# KiCad board Sydney-live-rail.kicad_pcb
title: Wellington Live Train Map; date: 2025-08-25; rev: 1.0.0; company: Kea Studios; note: ©Chris Dirks; note: GPL-3.0 or Later
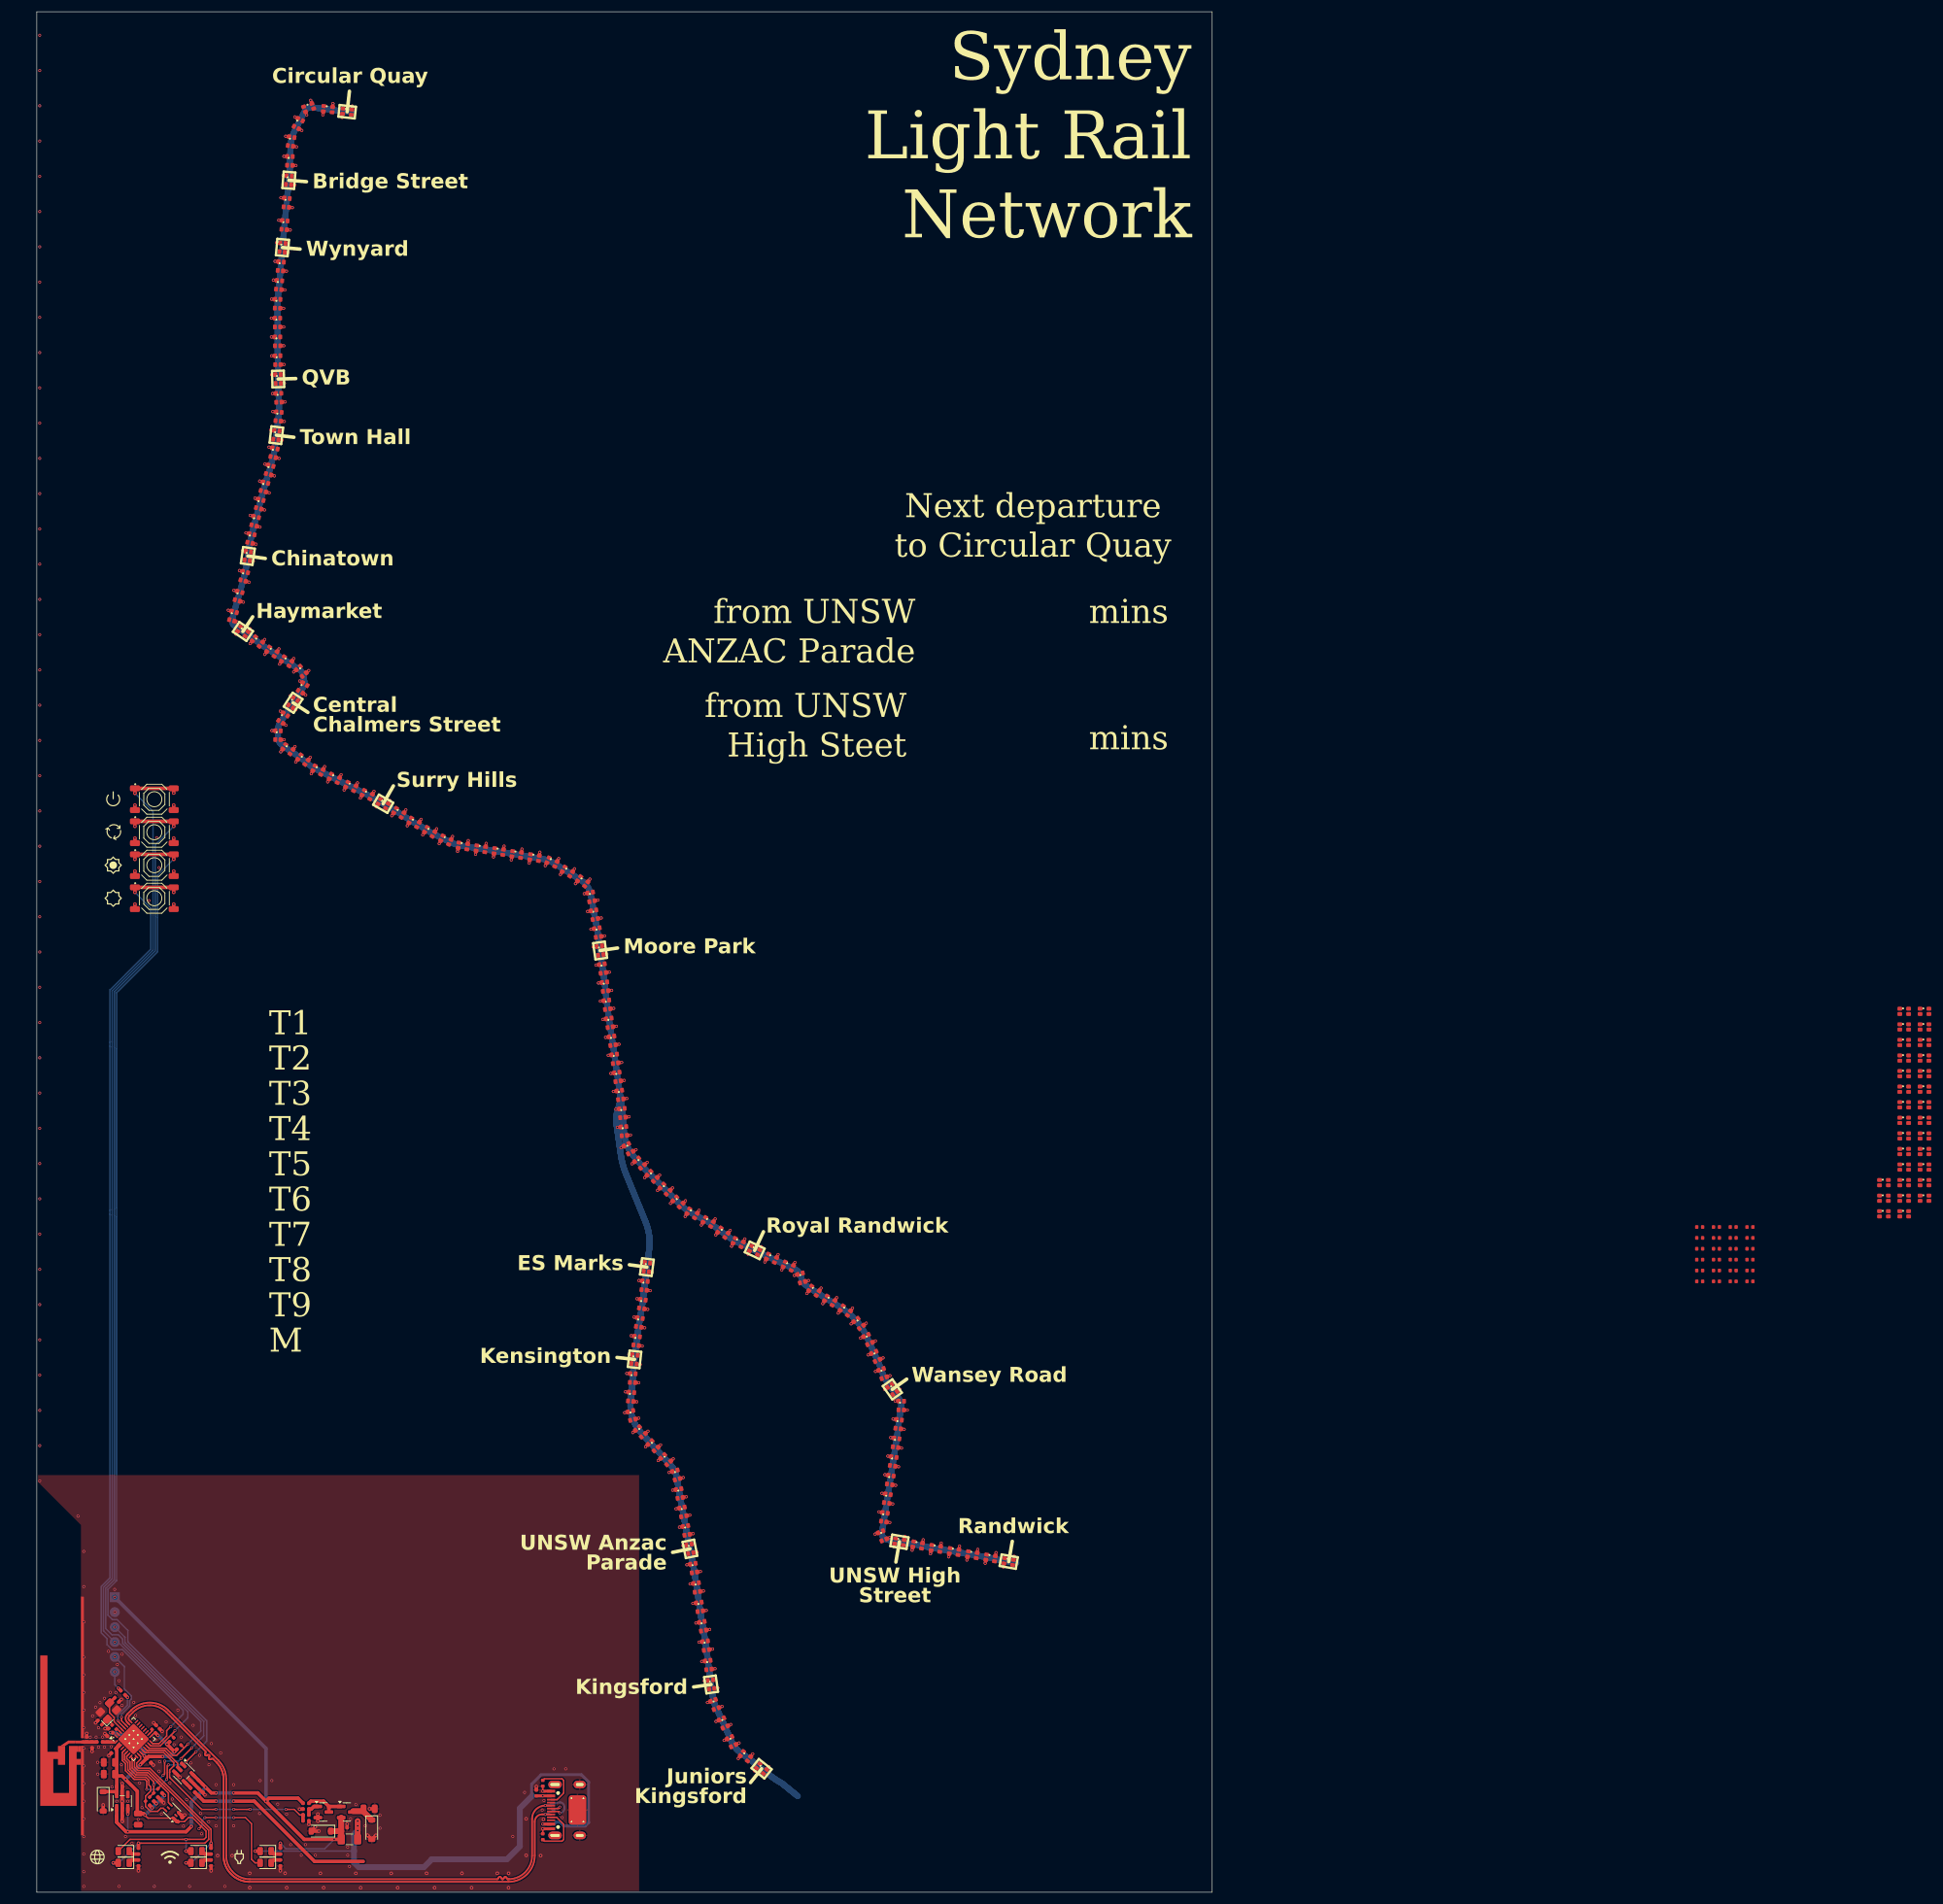
[diagram p0: board, top side]
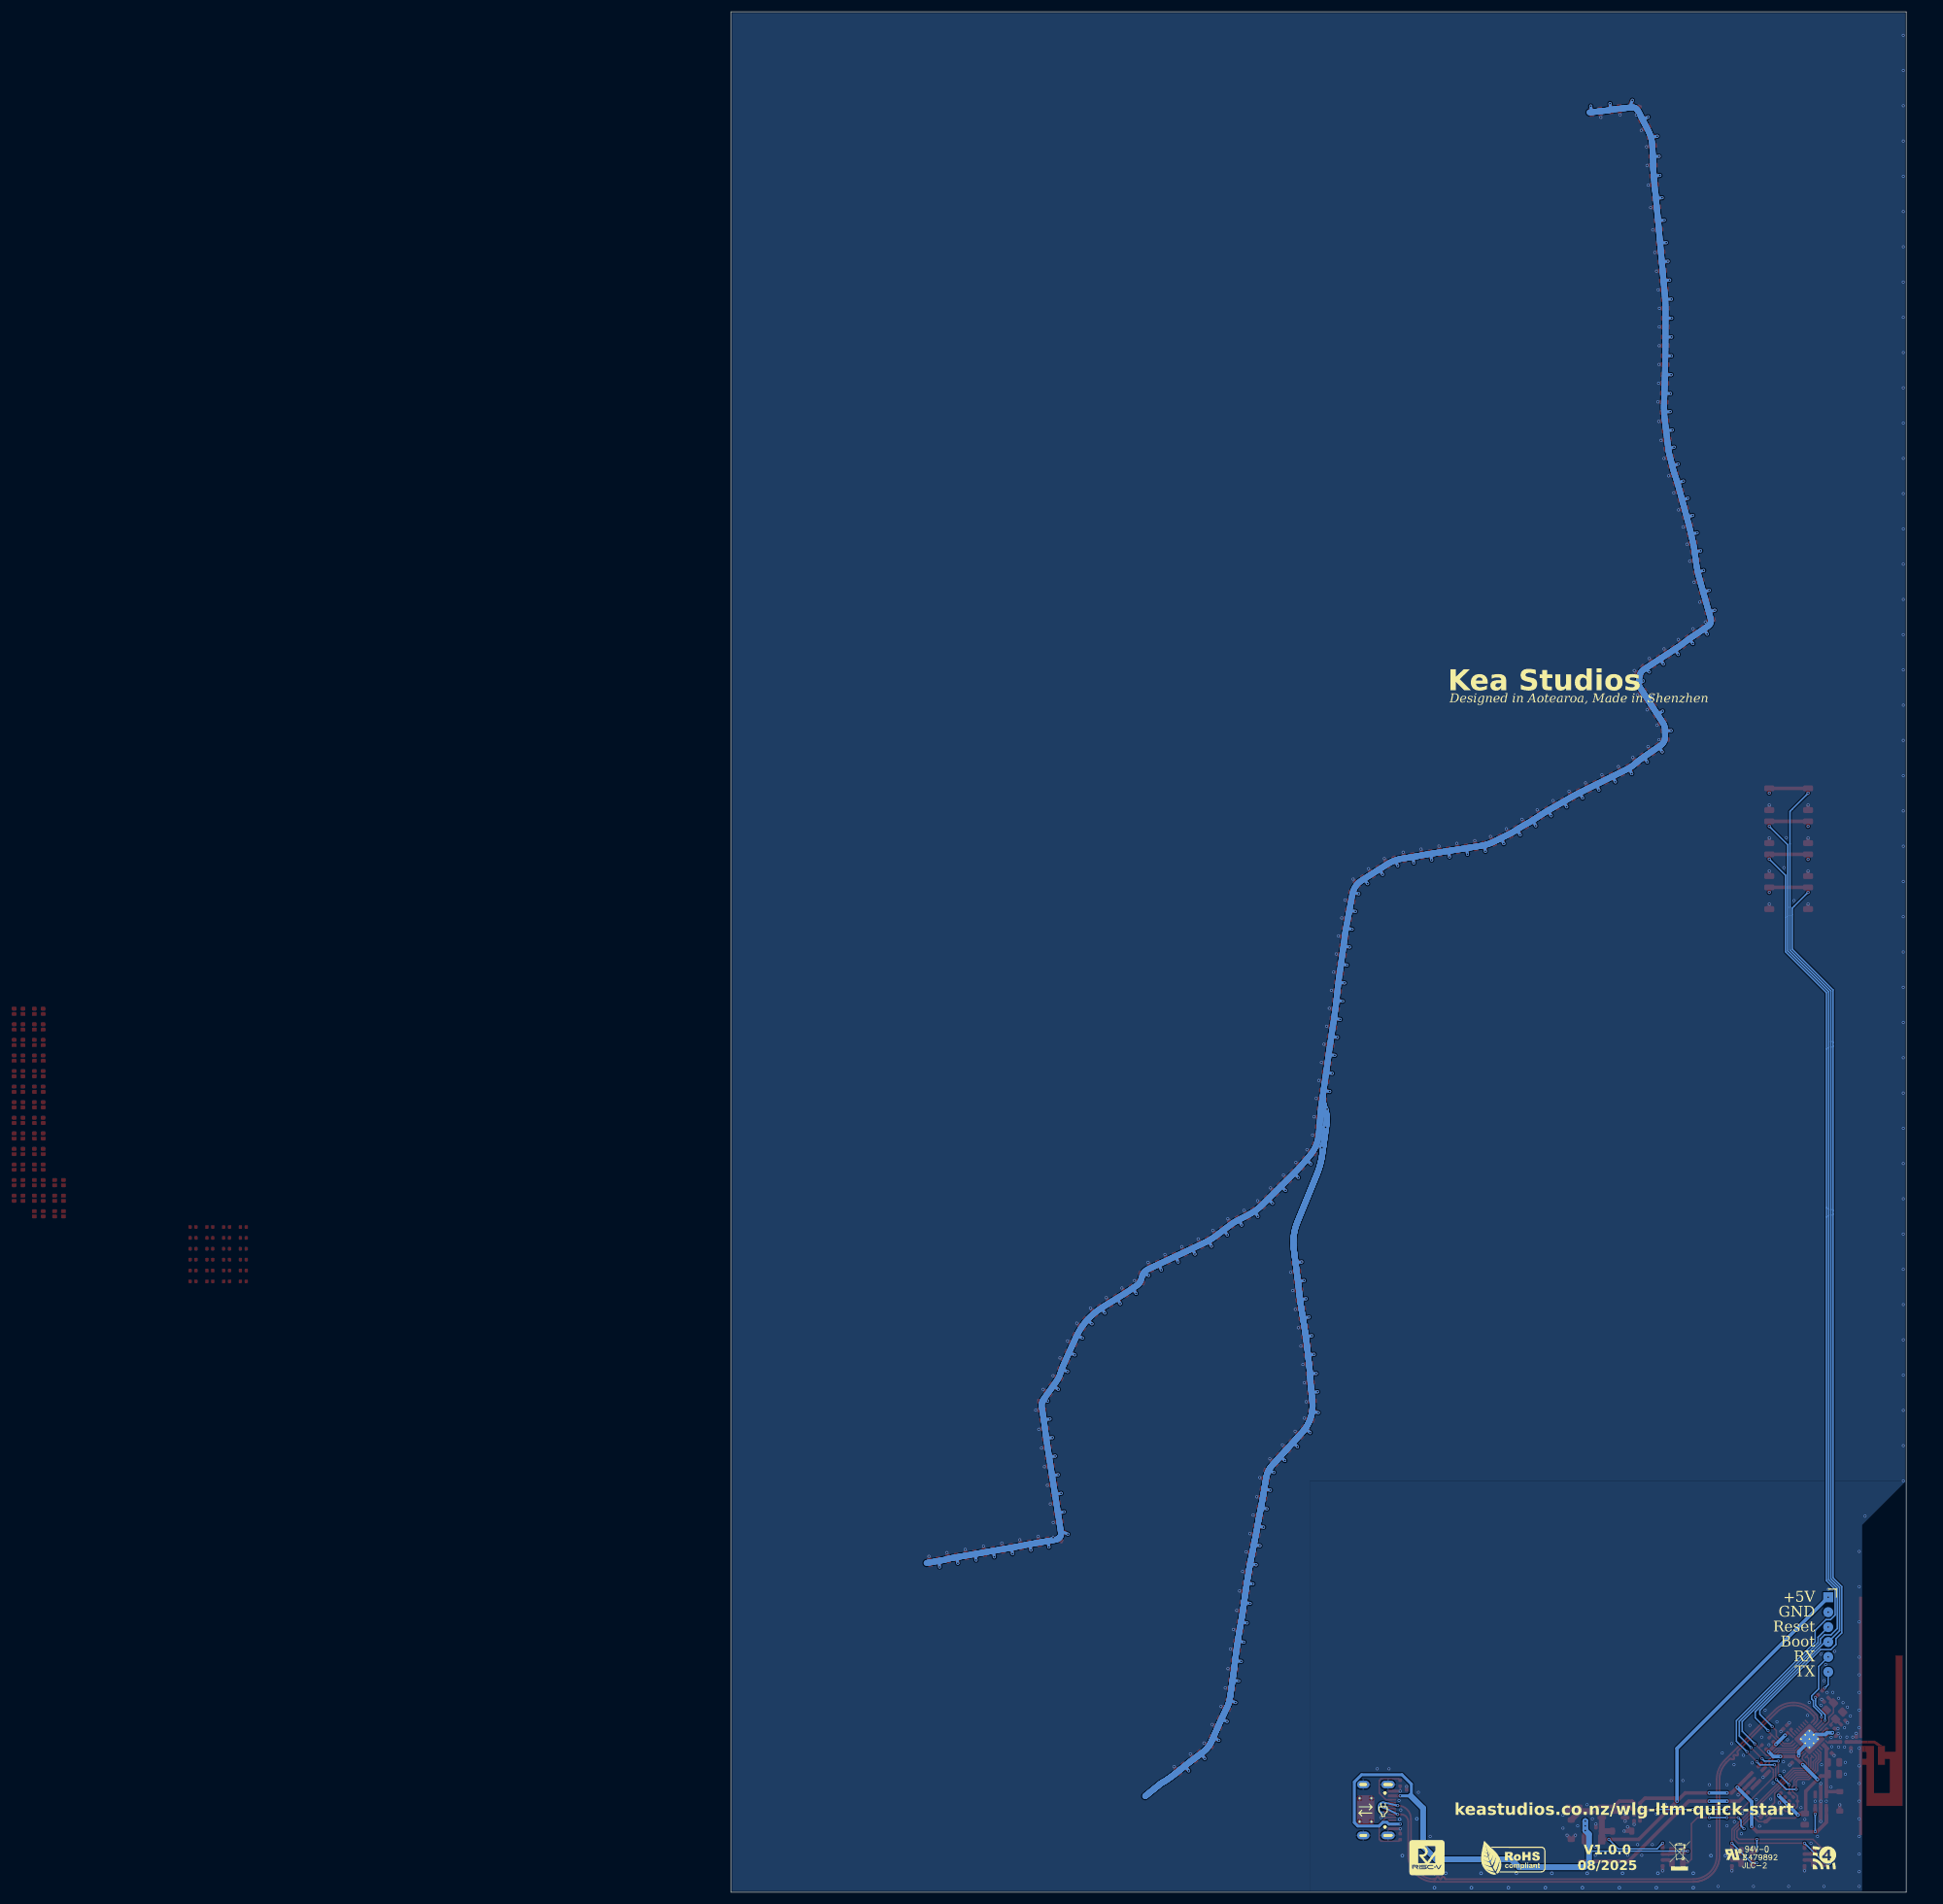
[diagram p1: board, bottom side, seen from below]

Outline 200 x 320 mm; copper layers: Top, Bottom. Coordinates in mm from the lower left corner of the outline.
Outline path: 0,320 0,0 200,0 200,320 0,320
Stack: Top 0.0152mm / dielectric 0.865mm FR4 er 4.5 / Bottom 0.0152mm

## Placement (name value [footprint] x y rotation side)
AE1  Antenna_Shield  [Inverted_F_Antenna_2.4Ghz_1.0mmPCB_TI_CC2430DB.pretty]  0.6 14.71 90 top
C1  10uF  [C_0402]  14.04 13 0 top
C2  10uF  [C_0402]  52.3 11 0 top
C3  10uF  [C_0402]  14.04 17.95 0 top
C4  10uF  [C_0402]  13.05 24.05 225 top
C5  47uF  [C_0805]  12.35 20.1 180 top
C6  10uF  [C_0402]  19.95 28.05 45 top
C7  10uF  [C_0402]  12.56 27.5 135 top
C8  10uF  [C_0402]  20.55 27.45 45 top
C9  10uF  [C_0402]  19.06 22.42 315 top
C11  10uF  [C_0402]  27.87 18.01 225 top
C12  10uF  [C_0402]  27.17 18.72 225 top
C13  10uF  [C_0402]  85 16.9 90 top
C14  10uF  [C_0402]  20.25 16.55 315 top
C15  47uF  [C_0805]  12.35 22.1 180 top
C16  10uF  [C_0402]  24.38 12.37 45 top
C17  47uF  [C_0805]  17.25 12.45 270 top
C18  47uF  [C_0805]  56.55 14.2 0 top
C19  27pF  [C_0402]  13.62 32.75 135 top
C20  27pF  [C_0402]  10.72 28.86 135 top
C35  10uF  [C_0402]  45.8 14.15 180 top
C36  1.5pF  [C_0402]  12 26.07 90 top
C37  1.5pF  [C_0402]  9.4 25.07 270 top
C100  10uF  [C_0402]  282.95 113.2 0 top
C101  10uF  [C_0402]  282.95 111.35 0 top
C102  10uF  [C_0402]  282.95 109.5 0 top
C103  10uF  [C_0402]  282.95 107.65 0 top
C104  10uF  [C_0402]  282.95 105.8 0 top
C105  10uF  [C_0402]  282.95 103.95 0 top
C106  10uF  [C_0402]  285.8 113.2 0 top
C107  10uF  [C_0402]  285.8 111.35 0 top
C108  10uF  [C_0402]  285.8 109.5 0 top
C109  10uF  [C_0402]  285.8 107.65 0 top
C110  10uF  [C_0402]  285.8 105.8 0 top
C111  10uF  [C_0402]  285.8 103.95 0 top
C112  10uF  [C_0402]  288.65 113.2 0 top
C113  10uF  [C_0402]  288.65 111.35 0 top
C114  10uF  [C_0402]  288.65 109.5 0 top
C115  10uF  [C_0402]  288.65 107.65 0 top
C116  10uF  [C_0402]  288.65 105.8 0 top
C117  10uF  [C_0402]  288.65 103.95 0 top
C118  10uF  [C_0402]  291.5 113.2 0 top
C119  10uF  [C_0402]  291.5 111.35 0 top
C120  10uF  [C_0402]  291.5 109.5 0 top
C121  10uF  [C_0402]  291.5 107.65 0 top
C122  10uF  [C_0402]  291.5 105.8 0 top
C123  10uF  [C_0402]  291.5 103.95 0 top
D1  MMSZ5227B  [D_SOD-123]  11.3 15.47 270 top
D2  Red  [D_0805]  38.94 7 180 top
D4  MM1W5V6  [D_SOD-123]  57 10.65 270 top
D5  MM1W5V6  [D_SOD-123]  48.35 10.4 180 top
D8  Green  [D_0805]  38.94 5 180 top
D9  Green  [D_0805]  14.8 5 180 top
D10  Red  [D_0805]  14.8 7 180 top
D11  Red  [D_0805]  27.16 7 180 top
D12  Green  [D_0805]  27.16 5 180 top
D13  H3V3U10B  [D_DFN1006-2L]  8.5 26.03 270 top
D100  XL-1615RGBC-WS2812B-S  [LED-SMD_4P-L1.6-W1.5_XL-1615RGBC-WS2812B#3]  52.82 302.99 353.8 top
D101  XL-1615RGBC-WS2812B-S  [LED-SMD_4P-L1.6-W1.5_XL-1615RGBC-WS2812B#5]  49.54 303.42 353.7 top
D102  XL-1615RGBC-WS2812B-S  [LED-SMD_4P-L1.6-W1.5_XL-1615RGBC-WS2812B#13]  46.26 303.68 20.2 top
D103  XL-1615RGBC-WS2812B-S  [LED-SMD_4P-L1.6-W1.5_XL-1615RGBC-WS2812B#5]  44.51 300.96 62.6 top
D104  XL-1615RGBC-WS2812B-S  [LED-SMD_4P-L1.6-W1.5_XL-1615RGBC-WS2812B#6]  43.27 297.92 81 top
D105  XL-1615RGBC-WS2812B-S  [LED-SMD_4P-L1.6-W1.5_XL-1615RGBC-WS2812B#7]  43.07 294.62 88.4 top
D106  XL-1615RGBC-WS2812B-S  [LED-SMD_4P-L1.6-W1.5_XL-1615RGBC-WS2812B#7]  42.89 291.32 85.4 top
D107  XL-1615RGBC-WS2812B-S  [LED-SMD_4P-L1.6-W1.5_XL-1615RGBC-WS2812B]  42.52 287.51 85 top
D108  XL-1615RGBC-WS2812B-S  [LED-SMD_4P-L1.6-W1.5_XL-1615RGBC-WS2812B#2]  42.15 283.7 84.8 top
D109  XL-1615RGBC-WS2812B-S  [LED-SMD_4P-L1.6-W1.5_XL-1615RGBC-WS2812B#6]  41.8 279.88 84.9 top
D110  XL-1615RGBC-WS2812B-S  [LED-SMD_4P-L1.6-W1.5_XL-1615RGBC-WS2812B#10]  41.52 276.69 84.9 top
D111  XL-1615RGBC-WS2812B-S  [LED-SMD_4P-L1.6-W1.5_XL-1615RGBC-WS2812B#12]  41.23 273.5 84.7 top
D112  XL-1615RGBC-WS2812B-S  [LED-SMD_4P-L1.6-W1.5_XL-1615RGBC-WS2812B#15]  40.98 270.31 88.3 top
D113  XL-1615RGBC-WS2812B-S  [LED-SMD_4P-L1.6-W1.5_XL-1615RGBC-WS2812B#14]  40.97 267.11 90.2 top
D114  XL-1615RGBC-WS2812B-S  [LED-SMD_4P-L1.6-W1.5_XL-1615RGBC-WS2812B#12]  40.98 263.91 90.3 top
D115  XL-1615RGBC-WS2812B-S  [LED-SMD_4P-L1.6-W1.5_XL-1615RGBC-WS2812B#11]  41.01 260.71 90.9 top
D116  XL-1615RGBC-WS2812B-S  [LED-SMD_4P-L1.6-W1.5_XL-1615RGBC-WS2812B#12]  41.07 257.51 91.4 top
D117  XL-1615RGBC-WS2812B-S  [LED-SMD_4P-L1.6-W1.5_XL-1615RGBC-WS2812B#13]  41.17 254.32 92 top
D118  XL-1615RGBC-WS2812B-S  [LED-SMD_4P-L1.6-W1.5_XL-1615RGBC-WS2812B#14]  41.14 251.12 84.8 top
D119  XL-1615RGBC-WS2812B-S  [LED-SMD_4P-L1.6-W1.5_XL-1615RGBC-WS2812B#9]  40.76 247.95 83.2 top
D120  XL-1615RGBC-WS2812B-S  [LED-SMD_4P-L1.6-W1.5_XL-1615RGBC-WS2812B#7]  40.37 244.95 77.4 top
D121  XL-1615RGBC-WS2812B-S  [LED-SMD_4P-L1.6-W1.5_XL-1615RGBC-WS2812B#3]  39.63 242.02 74.6 top
D122  XL-1615RGBC-WS2812B-S  [LED-SMD_4P-L1.6-W1.5_XL-1615RGBC-WS2812B#8]  38.74 239.13 74.5 top
D123  XL-1615RGBC-WS2812B-S  [LED-SMD_4P-L1.6-W1.5_XL-1615RGBC-WS2812B#6]  37.94 236.22 74.9 top
D124  XL-1615RGBC-WS2812B-S  [LED-SMD_4P-L1.6-W1.5_XL-1615RGBC-WS2812B#3]  37.16 233.3 75.2 top
D125  XL-1615RGBC-WS2812B-S  [LED-SMD_4P-L1.6-W1.5_XL-1615RGBC-WS2812B#8]  36.44 230.36 77.2 top
D126  XL-1615RGBC-WS2812B-S  [LED-SMD_4P-L1.6-W1.5_XL-1615RGBC-WS2812B#2]  35.91 227.39 81.9 top
D127  XL-1615RGBC-WS2812B-S  [LED-SMD_4P-L1.6-W1.5_XL-1615RGBC-WS2812B#5]  35.3 223.93 75 top
D128  XL-1615RGBC-WS2812B-S  [LED-SMD_4P-L1.6-W1.5_XL-1615RGBC-WS2812B#15]  34.34 220.54 74.1 top
D129  XL-1615RGBC-WS2812B-S  [LED-SMD_4P-L1.6-W1.5_XL-1615RGBC-WS2812B#16]  33.39 217.16 74.3 top
D130  XL-1615RGBC-WS2812B-S  [LED-SMD_4P-L1.6-W1.5_XL-1615RGBC-WS2812B#14]  35.07 214.55 146.2 top
D131  XL-1615RGBC-WS2812B-S  [LED-SMD_4P-L1.6-W1.5_XL-1615RGBC-WS2812B#10]  37.54 212.83 141.4 top
D132  XL-1615RGBC-WS2812B-S  [LED-SMD_4P-L1.6-W1.5_XL-1615RGBC-WS2812B#14]  40 211.11 146.8 top
D133  XL-1615RGBC-WS2812B-S  [LED-SMD_4P-L1.6-W1.5_XL-1615RGBC-WS2812B#14]  42.52 209.47 147.2 top
D134  XL-1615RGBC-WS2812B-S  [LED-SMD_4P-L1.6-W1.5_XL-1615RGBC-WS2812B#10]  45 207.77 130.9 top
D135  XL-1615RGBC-WS2812B-S  [LED-SMD_4P-L1.6-W1.5_XL-1615RGBC-WS2812B#3]  45.25 204.93 58.7 top
D136  XL-1615RGBC-WS2812B-S  [LED-SMD_4P-L1.6-W1.5_XL-1615RGBC-WS2812B#14]  43.61 202.41 57 top
D137  XL-1615RGBC-WS2812B-S  [LED-SMD_4P-L1.6-W1.5_XL-1615RGBC-WS2812B#10]  41.91 199.79 57 top
D138  XL-1615RGBC-WS2812B-S  [LED-SMD_4P-L1.6-W1.5_XL-1615RGBC-WS2812B#10]  41.04 196.89 88.8 top
D139  XL-1615RGBC-WS2812B-S  [LED-SMD_4P-L1.6-W1.5_XL-1615RGBC-WS2812B#4]  42.72 194.51 145.6 top
D140  XL-1615RGBC-WS2812B-S  [LED-SMD_4P-L1.6-W1.5_XL-1615RGBC-WS2812B#14]  45.29 192.73 142.9 top
D141  XL-1615RGBC-WS2812B-S  [LED-SMD_4P-L1.6-W1.5_XL-1615RGBC-WS2812B#8]  47.84 190.95 153.5 top
D142  XL-1615RGBC-WS2812B-S  [LED-SMD_4P-L1.6-W1.5_XL-1615RGBC-WS2812B#14]  50.64 189.56 153.6 top
D143  XL-1615RGBC-WS2812B-S  [LED-SMD_4P-L1.6-W1.5_XL-1615RGBC-WS2812B#12]  53.43 188.17 153.5 top
D144  XL-1615RGBC-WS2812B-S  [LED-SMD_4P-L1.6-W1.5_XL-1615RGBC-WS2812B#3]  56.22 186.77 152.1 top
D145  XL-1615RGBC-WS2812B-S  [LED-SMD_4P-L1.6-W1.5_XL-1615RGBC-WS2812B#7]  58.94 185.23 150.2 top
D146  XL-1615RGBC-WS2812B-S  [LED-SMD_4P-L1.6-W1.5_XL-1615RGBC-WS2812B#10]  61.6 183.68 148.1 top
D147  XL-1615RGBC-WS2812B-S  [LED-SMD_4P-L1.6-W1.5_XL-1615RGBC-WS2812B#14]  64.21 182.03 150.6 top
D148  XL-1615RGBC-WS2812B-S  [LED-SMD_4P-L1.6-W1.5_XL-1615RGBC-WS2812B#9]  66.86 180.45 149.2 top
D149  XL-1615RGBC-WS2812B-S  [LED-SMD_4P-L1.6-W1.5_XL-1615RGBC-WS2812B#8]  69.61 179.05 153.9 top
D150  XL-1615RGBC-WS2812B-S  [LED-SMD_4P-L1.6-W1.5_XL-1615RGBC-WS2812B#12]  72.51 178.05 170.8 top
D151  XL-1615RGBC-WS2812B-S  [LED-SMD_4P-L1.6-W1.5_XL-1615RGBC-WS2812B#9]  75.56 177.56 171.2 top
D152  XL-1615RGBC-WS2812B-S  [LED-SMD_4P-L1.6-W1.5_XL-1615RGBC-WS2812B#9]  78.61 177.09 171.2 top
D153  XL-1615RGBC-WS2812B-S  [LED-SMD_4P-L1.6-W1.5_XL-1615RGBC-WS2812B#7]  81.65 176.59 170.7 top
D154  XL-1615RGBC-WS2812B-S  [LED-SMD_4P-L1.6-W1.5_XL-1615RGBC-WS2812B#14]  84.69 176.07 170.7 top
D155  XL-1615RGBC-WS2812B-S  [LED-SMD_4P-L1.6-W1.5_XL-1615RGBC-WS2812B#10]  87.66 175.29 153.5 top
D156  XL-1615RGBC-WS2812B-S  [LED-SMD_4P-L1.6-W1.5_XL-1615RGBC-WS2812B#4]  90.29 173.68 147.6 top
D157  XL-1615RGBC-WS2812B-S  [LED-SMD_4P-L1.6-W1.5_XL-1615RGBC-WS2812B#3]  92.89 172.01 142.9 top
D158  XL-1615RGBC-WS2812B-S  [LED-SMD_4P-L1.6-W1.5_XL-1615RGBC-WS2812B#13]  94.32 169.38 100.8 top
D159  XL-1615RGBC-WS2812B-S  [LED-SMD_4P-L1.6-W1.5_XL-1615RGBC-WS2812B#14]  94.88 166.34 100.3 top
D160  XL-1615RGBC-WS2812B-S  [LED-SMD_4P-L1.6-W1.5_XL-1615RGBC-WS2812B#13]  95.45 163.31 99.5 top
D161  XL-1615RGBC-WS2812B-S  [LED-SMD_4P-L1.6-W1.5_XL-1615RGBC-WS2812B#3]  95.85 160.25 98.2 top
D162  XL-1615RGBC-WS2812B-S  [LED-SMD_4P-L1.6-W1.5_XL-1615RGBC-WS2812B#5]  96.29 157.18 98 top
D163  XL-1615RGBC-WS2812B-S  [LED-SMD_4P-L1.6-W1.5_XL-1615RGBC-WS2812B#16]  96.69 154.11 96.5 top
D164  XL-1615RGBC-WS2812B-S  [LED-SMD_4P-L1.6-W1.5_XL-1615RGBC-WS2812B#2]  97.03 151.02 97.3 top
D165  XL-1615RGBC-WS2812B-S  [LED-SMD_4P-L1.6-W1.5_XL-1615RGBC-WS2812B#6]  97.47 147.95 98.6 top
D166  XL-1615RGBC-WS2812B-S  [LED-SMD_4P-L1.6-W1.5_XL-1615RGBC-WS2812B#13]  97.93 144.89 98.6 top
D167  XL-1615RGBC-WS2812B-S  [LED-SMD_4P-L1.6-W1.5_XL-1615RGBC-WS2812B#10]  98.37 141.82 97.7 top
D168  XL-1615RGBC-WS2812B-S  [LED-SMD_4P-L1.6-W1.5_XL-1615RGBC-WS2812B#14]  98.81 138.74 98.2 top
D169  XL-1615RGBC-WS2812B-S  [LED-SMD_4P-L1.6-W1.5_XL-1615RGBC-WS2812B#5]  99.25 135.67 98.3 top
D170  XL-1615RGBC-WS2812B-S  [LED-SMD_4P-L1.6-W1.5_XL-1615RGBC-WS2812B#11]  99.65 132.6 95.5 top
D171  XL-1615RGBC-WS2812B-S  [LED-SMD_4P-L1.6-W1.5_XL-1615RGBC-WS2812B#13]  99.91 129.51 95 top
D172  XL-1615RGBC-WS2812B-S  [LED-SMD_4P-L1.6-W1.5_XL-1615RGBC-WS2812B#6]  100.69 126.53 117.5 top
D173  XL-1615RGBC-WS2812B-S  [LED-SMD_4P-L1.6-W1.5_XL-1615RGBC-WS2812B#14]  102.57 124.08 131 top
D174  XL-1615RGBC-WS2812B-S  [LED-SMD_4P-L1.6-W1.5_XL-1615RGBC-WS2812B#14]  104.7 121.83 135.1 top
D175  XL-1615RGBC-WS2812B-S  [LED-SMD_4P-L1.6-W1.5_XL-1615RGBC-WS2812B#14]  106.9 119.64 135.1 top
D176  XL-1615RGBC-WS2812B-S  [LED-SMD_4P-L1.6-W1.5_XL-1615RGBC-WS2812B#4]  109.1 117.45 135.3 top
D177  XL-1615RGBC-WS2812B-S  [LED-SMD_4P-L1.6-W1.5_XL-1615RGBC-WS2812B#8]  111.51 115.52 149.2 top
D178  XL-1615RGBC-WS2812B-S  [LED-SMD_4P-L1.6-W1.5_XL-1615RGBC-WS2812B#12]  114.25 114.06 149.5 top
D179  XL-1615RGBC-WS2812B-S  [LED-SMD_4P-L1.6-W1.5_XL-1615RGBC-WS2812B#3]  116.75 112.23 142.5 top
D180  XL-1615RGBC-WS2812B-S  [LED-SMD_4P-L1.6-W1.5_XL-1615RGBC-WS2812B#8]  119.35 110.55 154.2 top
D181  XL-1615RGBC-WS2812B-S  [LED-SMD_4P-L1.6-W1.5_XL-1615RGBC-WS2812B#12]  122.15 109.23 154.8 top
D182  XL-1615RGBC-WS2812B-S  [LED-SMD_4P-L1.6-W1.5_XL-1615RGBC-WS2812B#12]  125.01 107.89 154.9 top
D183  XL-1615RGBC-WS2812B-S  [LED-SMD_4P-L1.6-W1.5_XL-1615RGBC-WS2812B#12]  127.87 106.54 155 top
D184  XL-1615RGBC-WS2812B-S  [LED-SMD_4P-L1.6-W1.5_XL-1615RGBC-WS2812B#16]  130.1 104.53 105.6 top
D185  XL-1615RGBC-WS2812B-S  [LED-SMD_4P-L1.6-W1.5_XL-1615RGBC-WS2812B#3]  132.25 102.35 146.2 top
D186  XL-1615RGBC-WS2812B-S  [LED-SMD_4P-L1.6-W1.5_XL-1615RGBC-WS2812B#10]  134.92 100.68 148.5 top
D187  XL-1615RGBC-WS2812B-S  [LED-SMD_4P-L1.6-W1.5_XL-1615RGBC-WS2812B#14]  137.59 98.98 144.4 top
D188  XL-1615RGBC-WS2812B-S  [LED-SMD_4P-L1.6-W1.5_XL-1615RGBC-WS2812B#3]  139.85 96.78 127.9 top
D189  XL-1615RGBC-WS2812B-S  [LED-SMD_4P-L1.6-W1.5_XL-1615RGBC-WS2812B#10]  141.44 94.06 114.7 top
D190  XL-1615RGBC-WS2812B-S  [LED-SMD_4P-L1.6-W1.5_XL-1615RGBC-WS2812B#6]  142.74 91.18 114.2 top
D191  XL-1615RGBC-WS2812B-S  [LED-SMD_4P-L1.6-W1.5_XL-1615RGBC-WS2812B#14]  143.94 88.26 109.2 top
D192  XL-1615RGBC-WS2812B-S  [LED-SMD_4P-L1.6-W1.5_XL-1615RGBC-WS2812B#3]  145.57 85.57 125.4 top
D193  XL-1615RGBC-WS2812B-S  [LED-SMD_4P-L1.6-W1.5_XL-1615RGBC-WS2812B#16]  147.1 82.82 88.4 top
D194  XL-1615RGBC-WS2812B-S  [LED-SMD_4P-L1.6-W1.5_XL-1615RGBC-WS2812B#5]  146.64 79.65 82.9 top
D195  XL-1615RGBC-WS2812B-S  [LED-SMD_4P-L1.6-W1.5_XL-1615RGBC-WS2812B#9]  146.22 76.48 81.6 top
D196  XL-1615RGBC-WS2812B-S  [LED-SMD_4P-L1.6-W1.5_XL-1615RGBC-WS2812B#10]  145.72 73.31 81 top
D197  XL-1615RGBC-WS2812B-S  [LED-SMD_4P-L1.6-W1.5_XL-1615RGBC-WS2812B#10]  145.23 70.15 81.1 top
D198  XL-1615RGBC-WS2812B-S  [LED-SMD_4P-L1.6-W1.5_XL-1615RGBC-WS2812B#9]  144.73 66.98 81.1 top
D199  XL-1615RGBC-WS2812B-S  [LED-SMD_4P-L1.6-W1.5_XL-1615RGBC-WS2812B#9]  144.23 63.82 81.1 top
D200  XL-1615RGBC-WS2812B-S  [LED-SMD_4P-L1.6-W1.5_XL-1615RGBC-WS2812B#6]  143.88 60.65 112.6 top
D201  XL-1615RGBC-WS2812B-S  [LED-SMD_4P-L1.6-W1.5_XL-1615RGBC-WS2812B#12]  146.78 59.64 170.1 top
D202  XL-1615RGBC-WS2812B-S  [LED-SMD_4P-L1.6-W1.5_XL-1615RGBC-WS2812B#2]  149.88 59.09 168.6 top
D203  XL-1615RGBC-WS2812B-S  [LED-SMD_4P-L1.6-W1.5_XL-1615RGBC-WS2812B#14]  152.98 58.51 170.3 top
D204  XL-1615RGBC-WS2812B-S  [LED-SMD_4P-L1.6-W1.5_XL-1615RGBC-WS2812B#5]  156.09 57.98 170.1 top
D205  XL-1615RGBC-WS2812B-S  [LED-SMD_4P-L1.6-W1.5_XL-1615RGBC-WS2812B#11]  159.19 57.43 170 top
D206  XL-1615RGBC-WS2812B-S  [LED-SMD_4P-L1.6-W1.5_XL-1615RGBC-WS2812B#9]  162.29 56.89 170.1 top
D207  XL-1615RGBC-WS2812B-S  [LED-SMD_4P-L1.6-W1.5_XL-1615RGBC-WS2812B#12]  165.38 56.26 170 top
D208  XL-1615RGBC-WS2812B-S  [LED-SMD_4P-L1.6-W1.5_XL-1615RGBC-WS2812B#2]  103.81 106.38 82.5 top
D209  XL-1615RGBC-WS2812B-S  [LED-SMD_4P-L1.6-W1.5_XL-1615RGBC-WS2812B#9]  103.41 103.24 84 top
D210  XL-1615RGBC-WS2812B-S  [LED-SMD_4P-L1.6-W1.5_XL-1615RGBC-WS2812B#11]  103.04 100.09 80.9 top
D211  XL-1615RGBC-WS2812B-S  [LED-SMD_4P-L1.6-W1.5_XL-1615RGBC-WS2812B#3]  102.53 96.96 80.6 top
D212  XL-1615RGBC-WS2812B-S  [LED-SMD_4P-L1.6-W1.5_XL-1615RGBC-WS2812B]  102.07 93.82 82.6 top
D213  XL-1615RGBC-WS2812B-S  [LED-SMD_4P-L1.6-W1.5_XL-1615RGBC-WS2812B#9]  101.71 90.67 83.7 top
D214  XL-1615RGBC-WS2812B-S  [LED-SMD_4P-L1.6-W1.5_XL-1615RGBC-WS2812B#9]  101.4 87.49 87.6 top
D215  XL-1615RGBC-WS2812B-S  [LED-SMD_4P-L1.6-W1.5_XL-1615RGBC-WS2812B#10]  101.12 84.31 84.4 top
D216  XL-1615RGBC-WS2812B-S  [LED-SMD_4P-L1.6-W1.5_XL-1615RGBC-WS2812B#2]  101.23 81.14 104.5 top
D217  XL-1615RGBC-WS2812B-S  [LED-SMD_4P-L1.6-W1.5_XL-1615RGBC-WS2812B#10]  102.71 78.34 130.7 top
D218  XL-1615RGBC-WS2812B-S  [LED-SMD_4P-L1.6-W1.5_XL-1615RGBC-WS2812B#14]  104.86 75.97 132.4 top
D219  XL-1615RGBC-WS2812B-S  [LED-SMD_4P-L1.6-W1.5_XL-1615RGBC-WS2812B#3]  107.01 73.61 132.2 top
D220  XL-1615RGBC-WS2812B-S  [LED-SMD_4P-L1.6-W1.5_XL-1615RGBC-WS2812B#15]  108.8 71 105.7 top
D221  XL-1615RGBC-WS2812B-S  [LED-SMD_4P-L1.6-W1.5_XL-1615RGBC-WS2812B#4]  109.35 67.86 99.5 top
D222  XL-1615RGBC-WS2812B-S  [LED-SMD_4P-L1.6-W1.5_XL-1615RGBC-WS2812B#4]  109.95 64.72 101.2 top
D223  XL-1615RGBC-WS2812B-S  [LED-SMD_4P-L1.6-W1.5_XL-1615RGBC-WS2812B]  110.51 61.57 100.1 top
D224  XL-1615RGBC-WS2812B-S  [LED-SMD_4P-L1.6-W1.5_XL-1615RGBC-WS2812B#2]  111.14 58.43 101.4 top
D225  XL-1615RGBC-WS2812B-S  [LED-SMD_4P-L1.6-W1.5_XL-1615RGBC-WS2812B#11]  111.77 55.16 99.4 top
D226  XL-1615RGBC-WS2812B-S  [LED-SMD_4P-L1.6-W1.5_XL-1615RGBC-WS2812B#4]  112.31 51.86 97.9 top
D227  XL-1615RGBC-WS2812B-S  [LED-SMD_4P-L1.6-W1.5_XL-1615RGBC-WS2812B#14]  112.78 48.56 98.1 top
D228  XL-1615RGBC-WS2812B-S  [LED-SMD_4P-L1.6-W1.5_XL-1615RGBC-WS2812B#4]  113.32 45.27 100.6 top
D229  XL-1615RGBC-WS2812B-S  [LED-SMD_4P-L1.6-W1.5_XL-1615RGBC-WS2812B#6]  113.84 41.97 98.2 top
D230  XL-1615RGBC-WS2812B-S  [LED-SMD_4P-L1.6-W1.5_XL-1615RGBC-WS2812B#8]  114.28 38.66 97 top
D231  XL-1615RGBC-WS2812B-S  [LED-SMD_4P-L1.6-W1.5_XL-1615RGBC-WS2812B#4]  114.73 35.36 98.1 top
D232  XL-1615RGBC-WS2812B-S  [LED-SMD_4P-L1.6-W1.5_XL-1615RGBC-WS2812B#2]  115.36 31.95 110.5 top
D233  XL-1615RGBC-WS2812B-S  [LED-SMD_4P-L1.6-W1.5_XL-1615RGBC-WS2812B#4]  116.82 28.8 114.1 top
D234  XL-1615RGBC-WS2812B-S  [LED-SMD_4P-L1.6-W1.5_XL-1615RGBC-WS2812B#2]  118.22 25.62 115.6 top
D235  XL-1615RGBC-WS2812B-S  [LED-SMD_4P-L1.6-W1.5_XL-1615RGBC-WS2812B#4]  120.59 23.14 143.2 top
D236  XL-1615RGBC-WS2812B-S  [LED-SMD_4P-L1.6-W1.5_XL-1615RGBC-WS2812B#14]  123.33 21.02 141.3 top
D237  XL-1615RGBC-WS2812B-S  [LED-SMD_4P-L1.6-W1.5_XL-1615RGBC-WS2812B#3]  314.3 120.75 0 top
D238  XL-1615RGBC-WS2812B-S  [LED-SMD_4P-L1.6-W1.5_XL-1615RGBC-WS2812B#3]  314.3 118.1 0 top
D239  XL-1615RGBC-WS2812B-S  [LED-SMD_4P-L1.6-W1.5_XL-1615RGBC-WS2812B#3]  314.3 115.45 0 top
D240  XL-1615RGBC-WS2812B-S  [LED-SMD_4P-L1.6-W1.5_XL-1615RGBC-WS2812B#3]  317.75 149.9 0 top
D241  XL-1615RGBC-WS2812B-S  [LED-SMD_4P-L1.6-W1.5_XL-1615RGBC-WS2812B#3]  317.75 147.25 0 top
D242  XL-1615RGBC-WS2812B-S  [LED-SMD_4P-L1.6-W1.5_XL-1615RGBC-WS2812B#3]  317.75 144.6 0 top
D243  XL-1615RGBC-WS2812B-S  [LED-SMD_4P-L1.6-W1.5_XL-1615RGBC-WS2812B#3]  317.75 141.95 0 top
D244  XL-1615RGBC-WS2812B-S  [LED-SMD_4P-L1.6-W1.5_XL-1615RGBC-WS2812B#3]  317.75 139.3 0 top
D245  XL-1615RGBC-WS2812B-S  [LED-SMD_4P-L1.6-W1.5_XL-1615RGBC-WS2812B#3]  317.75 136.65 0 top
D246  XL-1615RGBC-WS2812B-S  [LED-SMD_4P-L1.6-W1.5_XL-1615RGBC-WS2812B#3]  317.75 134 0 top
D247  XL-1615RGBC-WS2812B-S  [LED-SMD_4P-L1.6-W1.5_XL-1615RGBC-WS2812B#3]  317.75 131.35 0 top
D248  XL-1615RGBC-WS2812B-S  [LED-SMD_4P-L1.6-W1.5_XL-1615RGBC-WS2812B#3]  317.75 128.7 0 top
D249  XL-1615RGBC-WS2812B-S  [LED-SMD_4P-L1.6-W1.5_XL-1615RGBC-WS2812B#3]  317.75 126.05 0 top
D250  XL-1615RGBC-WS2812B-S  [LED-SMD_4P-L1.6-W1.5_XL-1615RGBC-WS2812B#3]  317.75 123.4 0 top
D251  XL-1615RGBC-WS2812B-S  [LED-SMD_4P-L1.6-W1.5_XL-1615RGBC-WS2812B#3]  317.75 120.75 0 top
D252  XL-1615RGBC-WS2812B-S  [LED-SMD_4P-L1.6-W1.5_XL-1615RGBC-WS2812B#3]  317.75 118.1 0 top
D253  XL-1615RGBC-WS2812B-S  [LED-SMD_4P-L1.6-W1.5_XL-1615RGBC-WS2812B#3]  317.75 115.45 0 top
D254  XL-1615RGBC-WS2812B-S  [LED-SMD_4P-L1.6-W1.5_XL-1615RGBC-WS2812B#3]  321.2 149.9 0 top
D255  XL-1615RGBC-WS2812B-S  [LED-SMD_4P-L1.6-W1.5_XL-1615RGBC-WS2812B#3]  321.2 147.25 0 top
D256  XL-1615RGBC-WS2812B-S  [LED-SMD_4P-L1.6-W1.5_XL-1615RGBC-WS2812B#3]  321.2 144.6 0 top
D257  XL-1615RGBC-WS2812B-S  [LED-SMD_4P-L1.6-W1.5_XL-1615RGBC-WS2812B#3]  321.2 141.95 0 top